# KiCad board VNTR-65.kicad_pcb (continued)
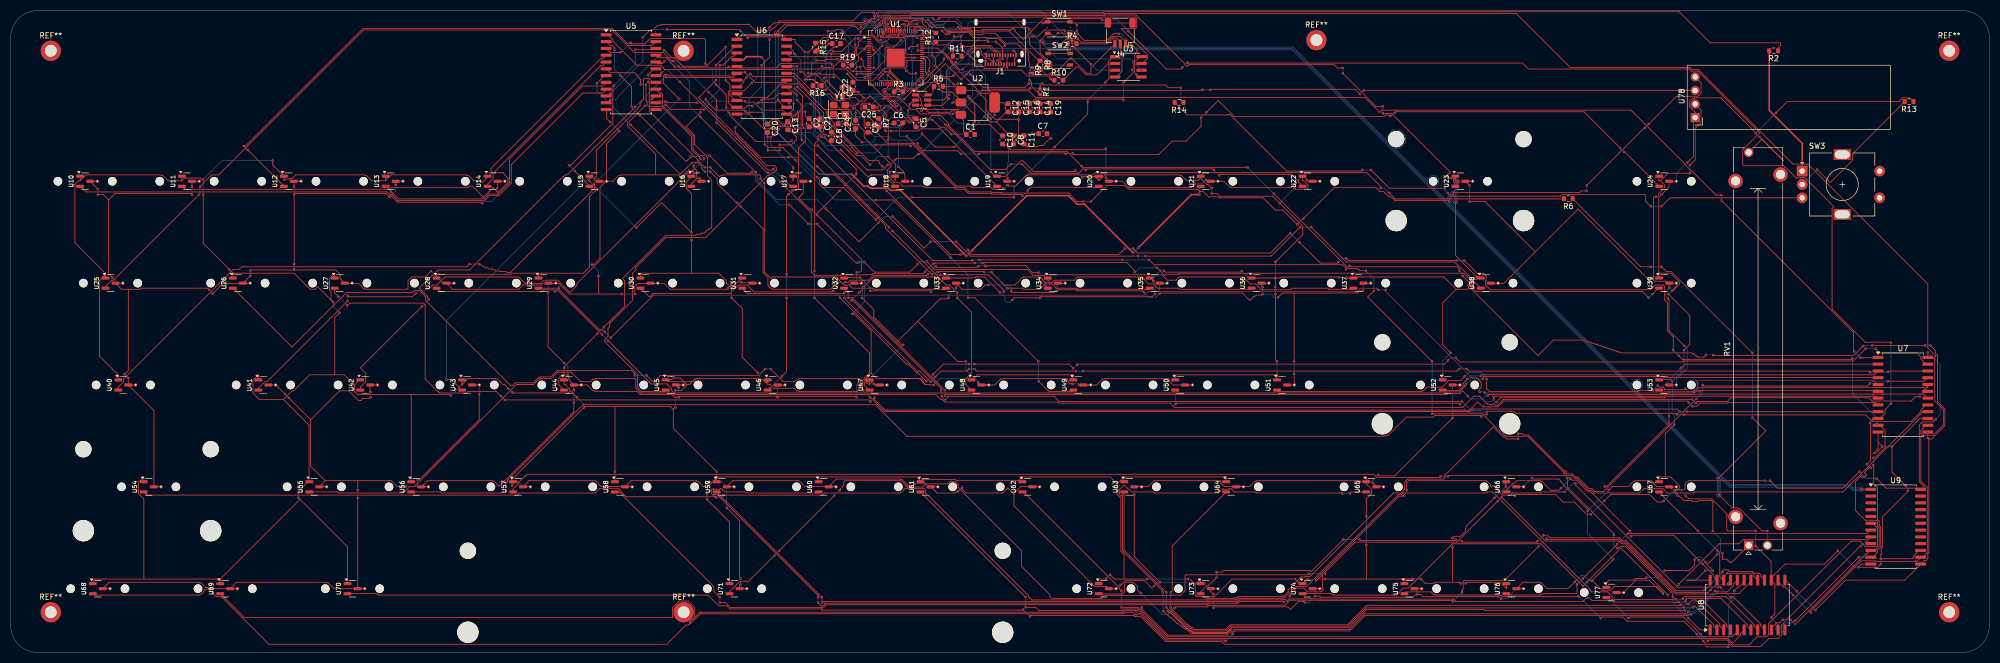
[diagram p0: board, top side]
## Routing (per net, layer and track width the routed paths; a pad name or vN(x,y) marks a point on that pad's centre or on a via; arc(x,y) is an arc through that point) (continued)
/FLASH_SS: length 24.3
  Top w0.15: v1(194.6,108.3) 194.4,108.1 191.2,108.1 191,108.3 ; 190.68,108.3 v1(190.5,108.3) 190.97,108.3 ; v1(190.5,107) 190.9,106.6 190.9,105.9 192.5,104.3 ; 196.8,107 199.3,109.5 199.6,109.5 201.1,108 203.1,108 205.3,110.2 205.3,110.5 206.2,111.4 ; v1(195.6,107.9) 196.5,107
  Bottom w0.15: v1(195.6,107.9) 195,107.9 v1(194.6,108.3) ; v1(190.5,108.3) v1(190.5,107)
/GPIO0: length 35.3
  Top w0.15: 166.35,115.58 166.63,115.58 166.65,115.6 167.1,115.15 169.25,115.15 v1(169.5,114.9) ; v1(174.2,116.2) 174.9,115.5 175.1,115.5 175.07,115.52 175.07,115.88 175.32,116.12 175.57,116.12 175.6,116.15 179.2,116.15 179.85,115.5 181.6,115.5 181.9,115.8 184.1,115.8 186.07,113.83 186.1,113.8 188.2,113.8 188.6,113.4 188.7,113.4 189.3,112.8 189.5,112.8 190.3,112 190.3,110.6 190.5,110.4 190.5,109.4 190.95,109.4 ; 166.34,115.59 166,115.25 164.4,115.25 164.15,115 163.3,115 163.22,115.08 163.22,115.28 163.1,115.4 163.1,115.55 163.05,115.6 163.05,115.68 163.01,115.72 163.01,116.03 U1.77
  Bottom w0.15: v1(174.2,116.2) 170.8,116.2 v1(169.5,114.9)
/GPIO16: length 212.9
  Top w0.15: v1(157.3,111.9) v1(153.4,111.9) ; v1(294.7,87.3) 305.5,98.1 ; v1(152.4,105.2) 150.8,105.2 R16.2 ; v1(269.7,85.8) 269.9,86 293.4,86 293.7,86.3 v1(294.7,86.3) ; v1(240.6,80) 237.9,82.7 236.5,82.7 234.2,85 226,85 225.8,85.2 224,85.2 223,86.2 222.3,86.2 221.9,86.6 209.2,86.6 209.1,86.7 208.9,86.7 208.3,87.3 205,87.3 v1(202,84.3) ; 315,107.6 316.1,106.5 316.1,104.6 315.5,104 311.5,104 v1(306.3,98.8) ; v1(159,111) 159.4,110.6 159.4,109.7 160.1,109 160.5,109 ; v1(200.6,84.3) 199.4,84.3 197.8,85.9 185.4,85.9 185.3,86 183.5,86 183.4,86.1 179.2,86.1 178.4,86.9 176.8,86.9 168.5,95.2 164,95.2 161.1,98.1 159.9,98.1 159.6,98.4 159.6,100 157.7,101.9 v1(157.5,101.7) ; v1(269,84.3) 268.8,84.5 258.8,84.5 258,85.3 257.6,85.3 256.7,86.2 256,86.2 255.3,86.9 247.5,86.9 v1(241.7,81.1)
  Bottom w0.15: v1(294.7,86.3) v1(294.7,87.3) ; v1(200.6,84.3) v1(202,84.3) ; 153.3,106.1 v1(152.4,105.2) ; v1(269,84.3) 269,85.1 v1(269.7,85.8) ; v1(153.4,111.9) 153.4,110.5 153.1,110.2 153.1,106.3 157.5,101.9 v1(157.5,101.7) ; v1(157.3,111.9) 158.1,111.9 v1(159,111) ; v1(240.6,80) v1(241.7,81.1) ; v1(305.6,98.1) v1(306.3,98.8)
/GPIO17: length 173
  Top w0.15: 157.4,108.6 158.3,109.5 v1(158.9,109.5) ; 157.4,108.6 156.2,109.8 155.7,109.8 ; 157.4,108.6 160.5,108.6 ; v1(181.7,105.1) 182.9,105.1 183.1,105.3 190.4,105.3 v1(190.6,105.5) ; v1(253,105.1) 315,105.1 ; v1(193.3,105.5) 193.7,105.1 222.8,105.1 v1(222.9,105.2) ; v1(163.5,105) 164.6,103.9 166,103.9 168.4,101.5 169.3,101.5 170.1,100.7 v1(176.2,100.7) ; v1(224.3,105.2) 224.6,105.2 224.7,105.3 251.4,105.3 v1(252.3,104.4)
  Bottom w0.15: v1(190.6,105.5) v1(193.3,105.5) ; v1(252.3,104.4) v1(253,105.1) ; v1(181.7,105.1) 177.3,100.7 v1(176.2,100.7) ; v1(222.9,105.2) v1(224.3,105.2) ; v1(163.5,105) 163.68,105.17 164.28,105.17 164.53,105.42 164.08,105.42 164,105.5 164,106.5 162.4,108.1 159.3,108.1 158.9,108.5 v1(158.9,109.5)
/GPIO18: length 232.3
  Top w0.15: 150.4,113.5 v1(149.1,112.2) ; 150.4,113.5 150.4,113.9 ; 150.4,113.5 150.5,113.5 152,115 154.7,115 155,114.7 v1(155.9,114.7) ; v1(158,100.8) 158,99 ; R2.1 330.5,113 331,113.5 331,114 317.8,114 312,119.8 204.4,119.8 204.3,119.7 168.3,119.7 168.28,119.72 162.22,119.72 v1(161.5,119) ; v1(166.5,114.5) 165.2,113.2 163.7,113.2 163.5,113 163.5,110.7 161,108.2 158.3,108.2 v1(158.2,108.1) ; v1(149.1,108.3) 151.3,108.3 151.5,108.1 154.1,108.1 156,106.2 156.5,106.2 v1(156.8,105.9)
  Bottom w0.15: v1(158,100.8) 158,102.2 156.8,103.4 v1(156.8,105.9) ; v1(149.1,112.2) v1(149.1,108.3) ; v1(166.5,114.5) 166,115 166,116.1 166.12,115.97 166.48,115.97 166.72,116.22 166.72,116.58 166.48,116.83 166.12,116.83 165.95,116.65 162.86,116.65 161.5,118.01 v1(161.5,119) ; v1(155.9,114.7) 156.7,113.9 156.7,111.7 158.2,110.2 v1(158.2,108.1)
/GPIO19: length 76.1
  Top w0.15: v1(167.1,103.5) 168.6,105 170.7,105 173.4,107.7 176.1,107.7 v1(176.3,107.9) ; 160.5,107.8 160,107.8 v1(159.7,107.5) ; v1(218.8,103.3) 219.3,102.8 ; v1(218.8,105.6) 216.5,105.6 216,106.1 193.2,106.1 v1(192.9,106.4) ; v1(160.7,106.5) 161.3,105.9 161.3,105.8 163.1,104 163.5,104 163.55,103.95 163.6,103.95 164.55,103 165.1,103 165.3,102.8 165.3,102.5 v1(165.65,102.15) ; v1(156.4,108.2) 157.6,107 157.6,106.3 ; v1(190.4,106.4) 189.6,105.6 181.9,105.6 v1(179.4,108.1)
  Bottom w0.15: v1(176.3,107.9) 176.8,108.4 178.2,108.4 178.5,108.7 178.9,108.7 179.4,108.2 ; v1(218.8,105.6) v1(218.8,103.3) ; v1(167.1,103.5) 165.75,102.15 v1(165.65,102.15) ; v1(156.4,108.2) 157.1,108.2 157.8,107.5 v1(159.7,107.5) v1(160.7,106.5) ; v1(190.4,106.4) v1(192.9,106.4)
/GPIO26: length 156.7
  Top w0.15: 290.9,84.8 258.9,84.8 v1(257.8,85.9) ; 290.4,84.8 290.84,84.8 ; v1(167.6,96.5) 176.9,87.2 179.6,87.2 179.9,86.9 183.4,86.9 183.7,86.6 185.4,86.6 v1(185.6,86.8) ; v1(163.3,101.8) 163.5,102 164.5,102 v1(165.6,100.9) ; v1(256.2,86.8) 256.2,87.1 253.6,89.7 202.8,89.7 202.4,89.3 190.3,89.3 190.2,89.2 189.9,89.2 187.9,87.2 186.6,87.2 v1(186.4,87.4) ; U1.27 164.09,105.84 163.68,105.42 163.32,105.42 163.07,105.18 163.07,104.82 163.32,104.58 163.43,104.58 164.75,103.25 165.2,103.25 166.5,101.95 v1(166.5,101.5) ; v1(162.4,101.3) 160.4,101.3 159.7,102
  Bottom w0.15: v1(257.8,85.9) 256.9,86.8 v1(256.2,86.8) ; v1(162.4,101.3) 162.8,101.3 v1(163.3,101.8) ; v1(167.6,96.5) 166.2,96.5 166.2,97.8 167.97,99.58 168.88,99.58 169.12,99.82 169.12,100.18 168.88,100.42 167.57,100.42 v1(166.5,101.5) 165.9,100.9 v1(165.6,100.9) ; v1(186.4,87.4) 185.8,86.8 v1(185.6,86.8)
/QSPI_SCLK: length 464
  Top w0.15: v1(165.5,117.5) 165.29,117.29 U1.71 ; v1(190.5,116.5) 190.1,116.9 177.8,116.9 176.7,118 173,118 v1(172.5,118.5)
  Bottom w0.15: v1(211.47,108.86) 209.34,111 195.7,111 194.03,112.67 239.63,112.67 319.28,33.03 319.22,33.03 318.98,32.78 318.98,32.42 319.15,32.25 319.15,29.85 318.98,29.68 318.98,29.32 319.22,29.08 319.58,29.08 319.82,29.32 319.82,29.68 319.65,29.85 319.65,32.25 319.82,32.42 319.82,32.48 321.43,30.88 343.77,30.88 344.4,30.25 345.65,30.25 345.82,30.08 346.18,30.08 346.43,30.32 346.43,30.68 346.18,30.92 345.82,30.92 345.65,30.75 344.6,30.75 343.98,31.38 321.64,31.38 304.04,48.97 304.53,48.97 305.13,49.58 305.13,50.42 304.53,51.03 303.68,51.03 303.08,50.42 303.08,49.93 269.14,83.88 269.18,83.88 269.43,84.12 269.43,84.48 269.25,84.65 269.25,85 269.63,85.38 269.88,85.38 269.95,85.45 269.95,84.65 269.77,84.48 269.77,84.12 270.02,83.88 270.38,83.88 270.62,84.12 270.62,84.48 270.45,84.65 270.45,87.85 270.62,88.02 270.62,88.38 270.38,88.62 270.02,88.62 269.77,88.38 269.77,88.02 269.95,87.85 269.95,86.15 269.88,86.22 269.52,86.22 269.27,85.98 269.27,85.73 268.75,85.2 268.75,84.65 268.57,84.48 268.57,84.44 265.94,87.08 266.43,87.08 267.03,87.68 267.03,88.52 266.43,89.12 265.58,89.12 264.98,88.52 264.98,88.03 258.73,94.29 259.8,94.29 260.79,95.28 260.79,96.69 259.8,97.68 258.39,97.68 257.39,96.69 257.39,95.62 239.84,113.17 193.53,113.17 193.03,113.67 193.18,113.67 193.43,113.92 193.43,114.28 193.18,114.53 192.82,114.53 192.65,114.35 192.35,114.35 191.53,115.18 191.53,115.38 191.28,115.62 191.08,115.62 190.4,116.3 190.4,116.4 v1(190.5,116.5) ; v1(172.5,118.5) 172.28,118.72 166.72,118.72 v1(165.5,117.5)
/QSPI_SD0: length 61.4
  Top w0.15: 210.5,107.89 v1(210.5,108.1) 211,107.6 ; v1(209.4,113.9) 210.6,112.7 210.6,112.2 210.2,111.8 210.2,110.8 209.9,110.5 209.9,109.1 v1(209.7,108.9) ; v1(164.52,117.81) 164.9,117.43 164.9,116.2 ; v1(197.1,116.3) 197,116.4 193.3,116.4 192.1,115.2 v1(191.1,115.2) ; v1(199.5,115.7) 200.8,114.4 204.9,114.4 206.2,115.7 v1(207.2,115.7)
  Bottom w0.15: v1(209.7,108.9) v1(210.5,108.1) ; v1(191.1,115.2) 190.7,115.6 190.5,115.6 186.7,119.4 168,119.4 167.9,119.5 164,119.5 164.52,118.98 v1(164.52,117.81) ; v1(199.5,115.7) 199.2,115.7 198.6,116.3 v1(197.1,116.3) ; v1(207.2,115.7) 207.6,115.7 v1(209.4,113.9)
/QSPI_SD1: length 142.9
  Top w0.15: v1(141.9,114.6) 141.9,111.3 v1(140.4,109.8) ; v1(195.2,94.5) 201.4,100.7 v1(201.4,103) ; v1(135.5,98.2) 135.5,97.3 140.2,92.6 v1(145.5,92.6) ; U1.74 164.09,116.74 163.5,117.33 v1(163.5,117.83) ; U3.2 205.59,110.14 205.38,109.92 205.38,107.31 205.4,107.3 v1(204.7,106.6) ; v1(150.8,88.9) 151.2,88.5 151.2,87.6 151.9,86.9 155.8,86.9 v1(161.8,80.9) ; v1(141.9,116.9) 142.7,117.7 143,117.7 143.1,117.8 143.4,117.8 143.7,118.1 157.5,118.1 159.1,119.7 161.3,119.7 v1(161.4,119.6) ; v1(187.6,85.1) v1(168.5,85.1)
  Bottom w0.15: v1(201.4,103) 201.4,103.3 v1(204.7,106.6) ; 150.7,88.9 147,92.6 v1(145.5,92.6) ; v1(161.4,119.6) 162.9,119.6 163.5,119 v1(163.5,117.83) ; v1(140.4,109.8) 140.4,105.8 138.1,103.5 138.1,100.8 v1(135.5,98.2) ; v1(161.8,80.9) 166,85.1 v1(168.5,85.1) ; v1(187.6,85.1) 187.6,86.9 v1(195.2,94.5) ; v1(141.9,114.6) v1(141.9,116.9)
/QSPI_SD2: length 50.9
  Top w0.15: 164.5,116.2 164.5,116.7 164,117.2 v1(164,117.5) ; v1(202,110) 198.5,113.5 v1(198.5,114)
  Bottom w0.15: v1(164,117.5) 164,119 163.5,119.5 163.8,119.8 192.7,119.8 v1(198.5,114) ; v1(205.8,108.9) 203.1,108.9 v1(202,110)
/QSPI_SD3: length 60
  Top w0.15: U1.70 165.69,116.56 166.63,117.5 v1(167,117.5) ; 211.64,110.14 212.62,111.12 212.62,111.69 207.68,116.64 210.32,116.64 210.56,116.88 210.56,118.55 210.32,118.79 173.79,118.79 v1(173.5,118.5)
  Bottom w0.15: v1(173.5,118.5) 172.88,117.88 169.73,117.88 169.68,117.92 168.43,117.92 168,117.5 v1(167,117.5)
/QSPI_SS: length 40.8
  Top w0.15: U1.75 163.69,116.69 163.13,117.25 163.13,117.58 163,117.71 163,117.95 163.3,118.25 165,118.25 166.95,118.25 167.12,118.08 v1(167.5,118.08) ; v1(171.6,118.3) 173.1,116.8 174.4,116.8 175.02,116.18 175.22,116.38 175.47,116.38 175.49,116.4 179.31,116.4 179.71,116 181.7,116 181.9,116.2 186.7,116.2 192.5,110.4 v1(191.9,109.8) ; v1(194.4,107.3) 194.7,107 195.2,107
  Bottom w0.15: v1(171.6,118.3) 168.1,118.3 167.88,118.08 v1(167.5,118.08) ; v1(191.9,109.8) v1(194.4,107.3)
/RUN: length 38.2
  Top w0.15: v1(174.5,111) 174.5,110.68 169.32,105.5 167.65,105.5 167.29,105.86 U1.35 ; v1(190.5,115) 190.5,113.75 193.87,110.38 193.87,109.84
  Bottom w0.15: v1(174.5,111) 176.32,112.83 179.18,112.83 181.35,115 v1(190.5,115) ; v1(193.9,109.8) v1(197.7,109.8)
/SWCLK: length 65.3
  Top w0.15: 172.2,116.9 170.6,118.5 163.2,118.5 161,116.3 161,115.65 161.1,115.65 162.25,114.5 v1(162.7,114.5) ; v1(185.9,113.4) 185.9,113.6 184.7,114.8 182.7,114.8 182.6,114.7 182.3,115 180,115 179.1,115.9 175.7,115.9 v1(175.5,115.7) ; v1(199.5,114.8) 200.2,114.1 205,114.1 206.1,115.2 207.5,115.2 208.5,114.2 ; 166.5,106.3 166.4,106.4 166.4,106.8 v1(164.4,108.8) ; v1(193,114.1) 193.3,113.8 196.5,113.8 197.4,114.7 198.4,114.7 v1(198.5,114.8)
  Bottom w0.15: v1(193,114.1) 186.6,114.1 v1(185.9,113.4) ; v1(198.5,114.8) v1(199.5,114.8) ; v1(164.4,108.8) 164.4,112.9 162.8,114.5 ; v1(172.3,116.9) 174.3,116.9 v1(175.5,115.7)
/SWD: length 50.5
  Top w0.15: 166.9,106.3 166.9,105.8 167.1,105.6 167.1,105.49 167.19,105.49 167.4,105.28 167.4,105.1 167.5,105 168.25,105 168.5,105.25 169.42,105.25 170.47,106.3 171,106.3 174.8,110.1 177.7,107.2 ; 206.5,113.8 202,109.3 202,108.3 201.2,108.3 198.25,111.25 194.8,107.8 190.1,107.8 189,108.9 179.5,108.9 v1(178.7,108.1)
  Bottom w0.15: v1(177.8,107.2) v1(178.7,108.1)
/USB_D+: length 14.5
  Top w0.15: 185,112 184.4,112.6 184.1,112.6 183.2,113.5 180,113.5 179.8,113.3 v1(178.2,113.3) ; 185,112 185,111.7 ; 185,112 185,110.5 185.2,110.3 185.2,110 ; 176.2,111.5 176.2,112.3 v1(175.5,113)
  Bottom w0.15: v1(178.2,113.3) 178,113.1 177.4,113.1 177.38,113.08 176.22,113.08 176.15,113 v1(175.5,113)
/USB_D-: length 16.7
  Top w0.15: v1(185.5,111) 185.5,113 184.6,113.9 184.5,113.9 v1(184.2,114.2) ; 173.22,114.4 182.6,114.4 v1(182.8,114.2) ; 184.7,110.1 184.7,110.5 v1(184.5,110.7)
  Bottom w0.15: v1(184.5,110.7) 184.8,111 v1(185.5,111) ; v1(182.8,114.2) v1(184.2,114.2)
/VREG_AVDD: length 22.8
  Top w0.15: 169.4,116.1 169.3,116.2 ; v1(163.2,100.4) 163.2,99.3 162.9,99 162.8,99 162.3,98.5 160.3,98.5
  Bottom w0.15: v1(163.2,100.4) 168.6,105.8 168.6,110.8 168.4,111 168.4,112.6 168.7,112.9 168.7,115.3 v1(169.4,116)
/XIN: length 25.8
  Top w0.15: U1.30 165.29,106.71 v1(164,108) ; v2(155.1,99) 154.9,98.8 ; 155.17,98.84 154.92,98.84
  Bottom w0.15: v1(153.9,100.5) 154.9,99.5 154.9,99 154.93,98.97 155.04,98.97 ; v1(164,108) 164,106.85 164.3,106.55 164.3,106 164.8,105.5 165.55,105.5 166,105.95 166.6,105.95 167.15,105.4 167.15,104.7 163.27,100.83 159.82,100.83 158.95,99.95 154.45,99.95
/XOUT: length 1.5
  Top w0.15: 165.49,104.84 165.69,105.04 U1.31
/~{USB_BOOT}: length 15.3
  Top w0.15: 192.5,109.3 193.2,109.3 193.3,109.2 193.4,109.3 194.3,109.3 194.4,109.2 194.55,109.35 194.7,109.35 194.7,110.35 194.55,110.35 194.5,110.4 194.2,110.4 192.5,112.1 192.5,114.4 193.9,115.8 194.4,115.8 v1(195.1,115.1) ; v1(195.8,115.8) 198,115.8
  Bottom w0.15: v1(195.1,115.1) v1(195.8,115.8)
ADC0: length 64.9
  Top w0.15: 170.4,110.6 170.3,110.7 167.6,110.7 167.6,109.6 167.2,109.2 167.1,109.3 163.9,109.3 163.8,109.2 163.5,109.2 161.3,107 158.3,107 156.1,109.2 156,109.1 146.2,109.1 146.1,109 122.3,109 122,109.3 122,109.4 121.6,109.8 117.1,109.8 112.6,114.3 112.6,114.6 111.7,115.5
ADC1: length 38.7
  Top w0.15: 135.8,114.6 136.6,115.4 161,115.4 162.4,114 163.15,114 163.4,114.25 163.75,114.25 164.5,115 166.89,115 166.99,114.9 167.1,114.9 167.37,114.64 167.37,112.14 167.7,111.8 170.4,111.8
ADC2: length 206
  Top w0.15: v1(344.7,56.3) 344.6,56.4 344.6,59.8 v1(319.9,84.5) ; v1(345.9,55.1) 349.1,55.1 ; 170.4,112.2 174.2,112.2 175.1,111.3 175.1,111.2 175.8,110.5 175.8,110.3 178.2,107.9 178.2,107.8 181.5,104.5 182.7,104.5 183.2,105 190.4,105 191.6,103.8 253.2,103.8 256,101 256.4,101.4 303,101.4 313,91.4 313,91.3 314.2,90.1 314.3,90.1 318.9,85.5 v1(319.9,85.5)
  Bottom w0.15: v1(344.7,56.3) v1(345.9,55.1) ; v1(319.9,85.5) v1(319.9,84.5)
ADC3: length 219.1
  Top w0.15: v1(253.4,71.4) 252.3,71.4 252.1,71.6 251.9,71.6 251.7,71.8 250.2,71.8 v1(236.2,85.8) ; v1(187,91.3) 186,90.3 183.2,90.3 v1(174.8,98.7) ; v1(310.8,10.4) 310.8,11 302,19.8 301,19.8 300.7,19.5 v1(300.4,19.5) ; v1(254.9,67.6) 253.8,66.5 253.8,66.4 v1(265.8,54.4) ; v1(291.1,32.6) 291.1,30.9 299.8,22.2 v1(299.8,21.9) ; v1(169.6,113.5) 169.4,113.3 168.3,113.3 v1(168,113) ; U8.1 315.9,4.2 v1(313.7,6.4) ; v1(167.5,108.8) 168.1,108.2 169.2,108.2 v1(169.3,108.3) ; v1(231.3,90.7) 200.8,90.7 199.7,89.6 190.8,89.6 v1(189.1,91.3) ; v1(169.6,112.5) 169.7,112.6 170.4,112.6 ; v1(265.8,44.6) 275.2,44.6 279,40.8 279.1,40.8 279.3,40.6 279.5,40.6 279.7,40.4 283.7,40.4 v1(290.5,33.6)
  Bottom w0.15: 300.3,19.5 299.8,20 v1(299.8,21.9) ; v1(254.9,67.6) 254.9,69.9 v1(253.4,71.4) ; v1(313.7,6.4) 310.8,9.3 v1(310.8,10.4) ; v1(231.3,90.7) v1(236.2,85.8) ; v1(174.8,98.7) 173.5,100 173.5,101.1 169.3,105.3 v1(169.3,108.3) ; v1(265.8,44.6) v1(265.8,54.4) ; v1(290.5,33.6) 290.5,33.2 v1(291.1,32.6) ; v1(187,91.3) v1(189.1,91.3) ; v1(168,113) 167.8,112.8 167.7,112.8 167.4,112.5 167.4,108.9 v1(167.5,108.8) ; v1(169.6,112.5) v1(169.6,113.5)
ADC4: length 216.1
  Top w0.15: v1(178,109) 177.45,109 176.05,110.4 176.05,110.6 175.35,111.3 175.35,111.4 174.3,112.45 173.9,112.45 173.34,113.01 U1.55 ; v1(346,30.5) 347.83,30.5
  Bottom w0.15: v1(178,109) 179.25,110.25 179.25,111.9 179.57,112.23 179.57,112.48 180.02,112.92 239.73,112.92 321.53,31.12 343.88,31.12 344.5,30.5 v1(346,30.5)
GPIO1: length 393.7
  Top w0.15: v1(351.6,46.5) 350.5,45.4 350.5,44.7 349.5,43.7 ; v1(118.2,115) 119.6,116.4 120.1,116.4 120.9,117.2 121.4,117.2 121.6,117.4 137.7,117.4 137.8,117.5 137.9,117.4 138.1,117.4 139.5,116 v1(139.7,116.2) 141.5,116.2 141.7,116.4 142.2,116.4 142.6,116.8 142.8,116.8 143.8,117.8 159.5,117.8 v1(159.8,118.1) ; v1(220,110.3) 220.2,110.1 220.3,110.2 282.7,110.2 283.8,109.1 313.9,109.1 314.3,108.7 315.5,108.7 327,97.2 327,97.1 323.9,94 323.9,91.2 324.1,91 331.5,91 331.8,90.7 331.9,90.7 333.9,88.7 334.7,88.7 334.8,88.8 335.4,88.8 335.6,88.6 335.7,88.6 340.9,83.4 340.9,83.3 340.6,83 340.6,64.2 346.8,58 351.5,58 v1(351.6,57.9) ; 162.5,116.2 162.5,115.5 162.8,115.2 ; 348.6,19.1 349.4,19.9 349.4,23.3 349.1,23.6 349.1,24.5 348.9,24.7 346.8,24.7 345,26.5 345,32 346.05,33.05 346.05,32.9 346.2,32.75 346.4,32.75 346.43,32.78 346.68,32.78 346.93,33.02 346.93,33.38 346.68,33.62 346.62,33.62 347.5,34.5 v1(347.8,34.5) ; v1(347.7,42.9) 347.8,42.8 347.8,35.9 v1(347.1,35.2) ; 135.5,103.2 134.5,104.2 134.5,104.8 134.7,105 137.1,105 v1(138.6,106.5) ; v1(331.4,6.1) 330.8,5.5 330.2,5.5 329.2,4.5 ; v1(209,116.2) 216.1,109.1 218.8,109.1 v1(219.1,109.4) ; v1(204.1,118.3) 203.9,118.5 193.2,118.5 189.33,114.63 187.82,116.13 187.82,116.38 187.58,116.62 187.22,116.62 186.97,116.38 186.97,116.28 186.8,116.45 181.8,116.45 181.6,116.25 179.81,116.25 179.41,116.65 177.45,116.65 v1(177.18,116.92) ; 111.7,104.1 v1(112.1,104.5) 112.1,104.36 ; 347.8,19.1 347,18.3 346.9,18.4 333.7,5.2 v1(332.8,6.1)
  Bottom w0.15: v1(347.1,35.2) v1(347.8,34.5) ; v1(204.1,118.3) 206.9,118.3 v1(209,116.2) ; v1(351.6,57.9) v1(351.6,46.5) ; v1(219.1,109.4) v1(220,110.3) ; v1(348.3,43.7) 348.3,43.5 v1(347.7,42.9) ; v1(112.1,104.5) 118.2,110.6 v1(118.2,115) ; v1(138.6,106.5) 139.7,107.6 v1(139.7,116.2) ; v1(332.8,6.1) v1(331.4,6.1) ; v1(177.18,116.92) 176.98,116.73 174.83,116.73 174.4,117.15 172.65,117.15 172.48,117.33 172.12,117.33 171.88,117.08 171.88,116.72 172.1,116.5 169.2,116.5 166.2,113.5 164.4,113.5 v1(162.8,115.1) 162.5,115.4 162.5,116.3 160.7,118.1 v1(159.8,118.1)
GPIO2: length 390.2
  Top w0.15: v1(137.4,101.2) 137.6,101 140.6,101 140.8,100.8 140.8,98.3 141.2,97.9 142.9,97.9 143.4,98.4 146.2,98.4 v1(146.7,97.9) ; v1(270.4,73.3) 250.1,73.3 v1(249.7,73.7) ; v3(162.14,115.14) 162.14,116.11 U1.79 ; v1(345.6,17.8) v1(333.7,5.9) ; v1(241,76.7) 244.9,72.8 248.1,72.8 v1(248.3,73) ; v1(311.9,55.5) 312.7,54.7 312.8,54.8 344.2,54.8 v1(344.4,55) ; v1(159,116.9) 158.55,116.45 ; v1(209.9,75.5) 210.7,74.7 235.6,74.7 v1(239.3,78.4) ; v1(163.4,87.3) 163.4,89.1 163.2,89.3 161,89.3 160.9,89.2 160.7,89.2 160.4,88.9 160.3,88.9 v1(155.3,93.9) ; v1(179,75.3) 179.1,75.2 179.1,74.9 179.6,74.4 207.2,74.4 v1(208.3,75.5) ; v1(310.9,56.5) 310.9,59 309.8,60.1 309.8,65.4 309.3,65.9 309.3,68.4 309,68.7 307.5,68.7 306.6,67.8 276.7,67.8 275.8,68.7 275.8,69.4 275.9,69.5 275.9,70.4 275.4,70.9 274.2,70.9 v1(271.8,73.3) ; v2(143.2,99.2) 144,98.4 ; v1(348.3,36.4) 348.6,36.4 350.5,38.3 350.5,41.5 349.5,42.5 ; 348.2,17.8 349.1,18.7 349.1,19.1 349.7,19.7 349.7,23.4 349.4,23.7 349.4,24.6 349.1,24.9 349.1,30.8 348.4,31.5 348.4,34.6 348.3,34.7 v1(348.3,35) ; v1(133.7,107) 134.5,106.2 134.5,105.2 134.2,104.9 134.2,102.8 135.1,101.9 ; 111.6,102.8 v1(112.1,103.3) 112.1,103.09 ; v2(143,115.9) 143.2,115.7 143.7,115.7 145.2,117.2 157.8,117.2 158.5,116.5 ; v1(133.7,113.2) 130.1,109.6 125.7,109.6 124.1,111.2 123.6,111.2 v1(122.2,112.6) ; v1(349,42.7) 349.2,42.5 ; v1(177.6,74.4) 175.7,74.4 v1(163.8,86.3)
  Bottom w0.15: v3(162.14,115.14) 162.14,116.16 161.4,116.9 v1(159,116.9) ; v1(163.4,87.3) 163.4,86.7 v1(163.8,86.3) ; v2(143.2,99.2) 143,99.4 v2(143,115.9) ; v1(248.3,73) 249,73.7 v1(249.7,73.7) ; v1(177.6,74.4) 178.1,74.4 v1(179,75.3) ; v1(333.7,5.9) 333.4,5.9 333,5.5 331.8,5.5 v1(330.7,4.4) ; v1(348.3,36.4) v1(348.3,35) ; v1(349,42.7) 349,43.8 344.4,48.4 v1(344.4,55) ; v1(155.3,93.9) 152.9,93.9 149.6,97.2 147.3,97.2 146.7,97.8 ; v1(347,17.8) v1(345.6,17.8) ; v1(112.1,103.3) 113.1,103.3 113.7,103.9 113.7,104.1 v1(122.2,112.6) ; v1(270.4,73.3) v1(271.8,73.3) ; v1(208.3,75.5) v1(209.9,75.5) ; v1(239.3,78.4) v1(241,76.7) ; v1(133.7,113.2) v1(133.7,107) ; v1(136.7,101.9) v1(137.4,101.2) ; v1(310.9,56.5) v1(311.9,55.5)
GPIO3: length 372.6
  Top w0.15: 358.2,42.5 357.2,41.5 357.2,40.9 357.5,40.6 ; 357.2,17.8 356.4,17 356.3,17 356.2,17.1 356.1,17 348.9,17 348.8,17.1 346,17.1 336.6,7.7 v1(336.6,7.4) ; 357.5,40.6 357.2,40.3 357.2,32 358.4,30.8 358.4,18.7 357.5,17.8 ; 357.5,40.6 359.5,40.6 361.4,42.5 361.4,45.4 359.8,47 359.8,55.2 360,55.4 358.5,56.9 358.5,68.9 336.1,91.3 333.3,91.3 315.6,109 314.4,109 314,109.4 291.6,109.4 281.5,119.5 204.5,119.5 204.4,119.4 168.4,119.4 168.1,119.1 166.5,119.1 166.45,119.05 v1(162.25,119.05) 161.7,118.5 160.9,118.5 159.9,117.5 144.8,117.5 v1(143.5,116.2) ; v1(138.7,102.1) 138.5,102.3 137.8,102.3 136.9,101.4 131.8,101.4 130,103.2 v1(130,103.5) ; 161.7,116.2 161.7,116.6 162.4,117.3 162.6,117.3 v1(162.7,117.4) ; v1(139.8,102.8) 143,102.8 v1(143.5,103.3) 143.8,103 143.8,102.9 144.8,101.9 ; 330.5,13.2 331.5,12.2 331.8,12.2 v1(333.3,10.7) ; v1(122.4,103) 122.7,103 122.9,102.8 v1(128.3,102.8)
  Bottom w0.15: v1(336.6,7.4) v1(333.3,10.7) ; v1(122.4,103) v1(121.4,103) ; v1(162.25,119.05) 162.25,117.86 v1(162.7,117.4) ; v1(128.3,102.8) 129.3,102.8 v1(130,103.5) ; v1(139.8,102.8) 139.4,102.8 v1(138.7,102.1) ; v1(143.5,116.2) v1(143.5,103.3)
GPIO4: length 366.3
  Top w0.15: v1(359,57.4) 359.9,56.5 359.9,56 360.3,55.6 360.3,46.9 361.7,45.5 361.7,42.4 359.2,39.9 358.7,39.9 ; v1(346.4,57.3) 344.6,55.5 318.5,55.5 v1(318.4,55.6) ; v1(270.9,71.4) 270.9,71.7 270.5,72.1 250.6,72.1 v1(250.4,72.3) ; v1(348.1,57.4) v1(358,57.4) ; v1(212.9,73.4) 214,72.3 214.2,72.5 249.1,72.5 249.7,71.9 v1(249.7,71.6) ; v1(146.4,102.6) 146.4,101.6 145.5,100.7 146.3,99.9 146.3,99.8 v1(146.4,99.7) ; v1(337.5,7.9) 343.1,13.5 354.2,13.5 357.9,17.2 358.2,17.2 358.5,17.5 358.5,18.4 358.7,18.6 358.7,39.9 ; 358.7,39.9 v1(358.5,40.1) ; v1(122.5,102.4) 123.4,101.5 v1(129.6,101.5) ; v1(179.8,73.3) 172.4,73.3 v1(150.9,94.8) ; v1(334,11.4) 331.9,13.5 ; v1(137.3,103.1) 137.5,102.9 139,102.9 140.5,101.4 144.4,101.4 145.1,100.7 ; v1(317,55.6) 316.6,55.2 315.5,55.2 315.3,55.4 315.2,55.4 314.8,55.8 314.6,55.8 314.4,56 301,56 300.8,56.2 300.4,56.2 300.2,56.4 299.8,56.4 299.6,56.6 299.2,56.6 299,56.8 298.6,56.8 298.4,57 298,57 297.8,57.2 297.5,57.2 297.3,57.4 296.9,57.4 296.7,57.6 296.3,57.6 296.1,57.8 295.7,57.8 295.5,58 295.1,58 294.9,58.2 294.6,58.2 294.4,58.4 288.5,58.4 285.6,55.5 273.1,68 273.1,68.8 v1(271.5,70.4) ; v1(181.1,73.4) 181.3,73.2 181.5,73.4 v1(207.9,73.4) ; 160.5,115 159.4,115 158.5,114.1 158.5,113.4 158.2,113.1 158.2,111.7 157.1,110.6 155,110.6 153.8,109.4 151.9,109.4 v1(151.7,109.6)
  Bottom w0.15: v1(146.4,99.7) 145.9,99.2 145.9,98 147,96.9 148.1,96.9 150.2,94.8 v1(150.9,94.8) ; v1(358,57.4) v1(359,57.4) ; v1(271.5,70.4) 271.5,70.8 v1(270.9,71.4) ; v1(207.9,73.4) v1(212.9,73.4) ; v1(151.7,109.6) 147,104.9 146.8,104.9 146.4,104.5 v1(146.4,102.6) ; v1(122.5,102.4) v1(121.6,101.5) ; v1(137.3,103.1) 131.2,103.1 v1(129.6,101.5) ; v1(179.8,73.3) 180.1,73.3 180.2,73.4 v1(181.1,73.4) ; v1(358.5,40.1) v1(358.5,41.1) ; v1(317,55.6) v1(318.4,55.6) ; v1(348.1,57.4) 346.8,57.4 346.7,57.3 v1(346.4,57.3) ; v1(249.7,71.6) v1(250.4,72.3) ; v1(337.5,7.9) v1(334,11.4)
Net-(C4-Pad1): length 16.4
  Top w0.15: 166.51,104.84 v1(166.27,105.08) ; v1(158.4,102.6) 158,102.2 156.1,102.2 ; v1(159.5,103.7) 158.9,104.3 157.1,104.3 156.6,104.8 156,104.8 155.5,105.3
  Bottom w0.15: v1(166.27,105.08) 166.08,105.08 165,104 162.1,104 161.8,103.7 v1(159.5,103.7) v1(158.4,102.6)
Net-(J1-CC1): length 22.6
  Top w0.15: 175.6,103.7 174.2,102.3 171.5,102.3 ; 185.8,110 185.8,109.7 185.3,109.2 182.2,109.2 181.4,110 177.1,110 v1(176.7,110.4)
  Bottom w0.3: v1(176.7,110.4) 175,108.7 175,103.9 v1(175.4,103.5)
Net-(J1-CC2): length 20.5
  Top w0.15: v2(175.5,104.3) 174.5,103.3 171.5,103.3 ; v2(179,112.3) 179.7,113 180.3,113 180.5,113.2 183,113.2 183.9,112.3 184.2,112.3 184.5,112 184.5,111.7
  Bottom w0.15: v2(175.5,104.3) 175.5,108.5 179,112 v2(179,112.3)
Net-(R2-Pad2): length 25
  Top w0.3: v1(335,92) 335,95.2 328.85,101.35 R2.2
  Bottom w0.3: SW3.A v1(335,92)
Net-(R4-Pad1): length 6.1
  Top w0.15: 198,112 193.9,112 ; 197.66,113.84 197.66,112.34 198.01,111.99
Net-(R6-Pad1): length 91.3
  Top w0.15: v1(306.7,72.1) 304.8,72.1 292.1,84.8 ; v1(325.7,43.9) 328.2,41.4 v1(319.4,32.6) ; v1(328.5,22.7) 327.5,22.7 323.4,26.8 323.2,26.8 323,27 321.9,27 v1(319.4,29.5) ; v1(308.7,72.1) 309.6,71.2 310.5,71.2 v1(325.7,56)
  Bottom w0.15: v1(319.4,32.6) v1(319.4,29.5) ; v1(325.7,56) v1(325.7,43.9) ; v1(306.7,72.1) v1(308.7,72.1) ; v1(328.5,22.7) RV1.2
Net-(R13-Pad2): length 28.3
  Top w0.15: v1(337.8,90.3) 340.2,87.9 340.3,87.9 344.4,92 344.4,93.2 354.2,103
  Bottom w0.15: v1(337.8,90.3) SW3.C
Net-(R14-Pad2): length 127.5
  Top w0.15: 217.7,102.8 220,100.5 227.6,100.5 227.7,100.6 228,100.6 238.6,90 252.6,90 v1(252.8,90.2) ; v1(268.2,86.9) 268.1,86.8 257.8,86.8 v1(254.4,90.2) ; v1(306.7,83.4) 305.7,84.4 305.7,85.4 305.5,85.6 290.1,85.6 289.8,85.3 269.3,85.3 v1(268.7,85.9) ; SW3.B 310.3,85 v1(308.7,83.4)
  Bottom w0.15: v1(252.8,90.2) v1(254.4,90.2) ; v1(268.7,85.9) 268.2,86.4 v1(268.2,86.9) ; v1(306.7,83.4) v1(308.7,83.4)
Net-(U1-USB_DM): length 8.8
  Top w0.15: 173,115.8 172.6,116.2 171.9,116.2 170.5,117.6 170.5,118.25 169.45,118.25 169.4,118.2 168.8,118.2 168.5,117.9 167.9,117.9 167.93,117.88 167.93,117.52 167.68,117.28 167.43,117.28 167.2,117.05 167.2,116.3 167.3,116.2
Net-(U1-USB_DP): length 12.8
  Top w0.15: 166.89,115.84 167.33,115.4 170.8,115.4 171.28,114.92 171.28,114.89 172.56,113.6 175.72,113.6 R11.2
Net-(U4-CFG): length 1.9
  Top w0.15: v1(172.5,105.3) 173,105.8
  Bottom w0.15: v1(172.1,104.3) 172.5,104.7 v1(172.5,105.3)
Net-(U10-VOUT): length 110.2
  Top w0.15: 13,87.2 14.1,86.1 70.4,86.1 70.8,85.7 70.9,85.7 71,85.6 71.3,85.6 72.4,84.5 88.6,84.5 89.5,85.4 91.3,85.4 93.6,87.7 93.6,91.2 107,104.6 110.7,104.6 111.4,105.3